# Altium PCB HV_Module_6W.PCBDOC (part 1 of 4) (continued)
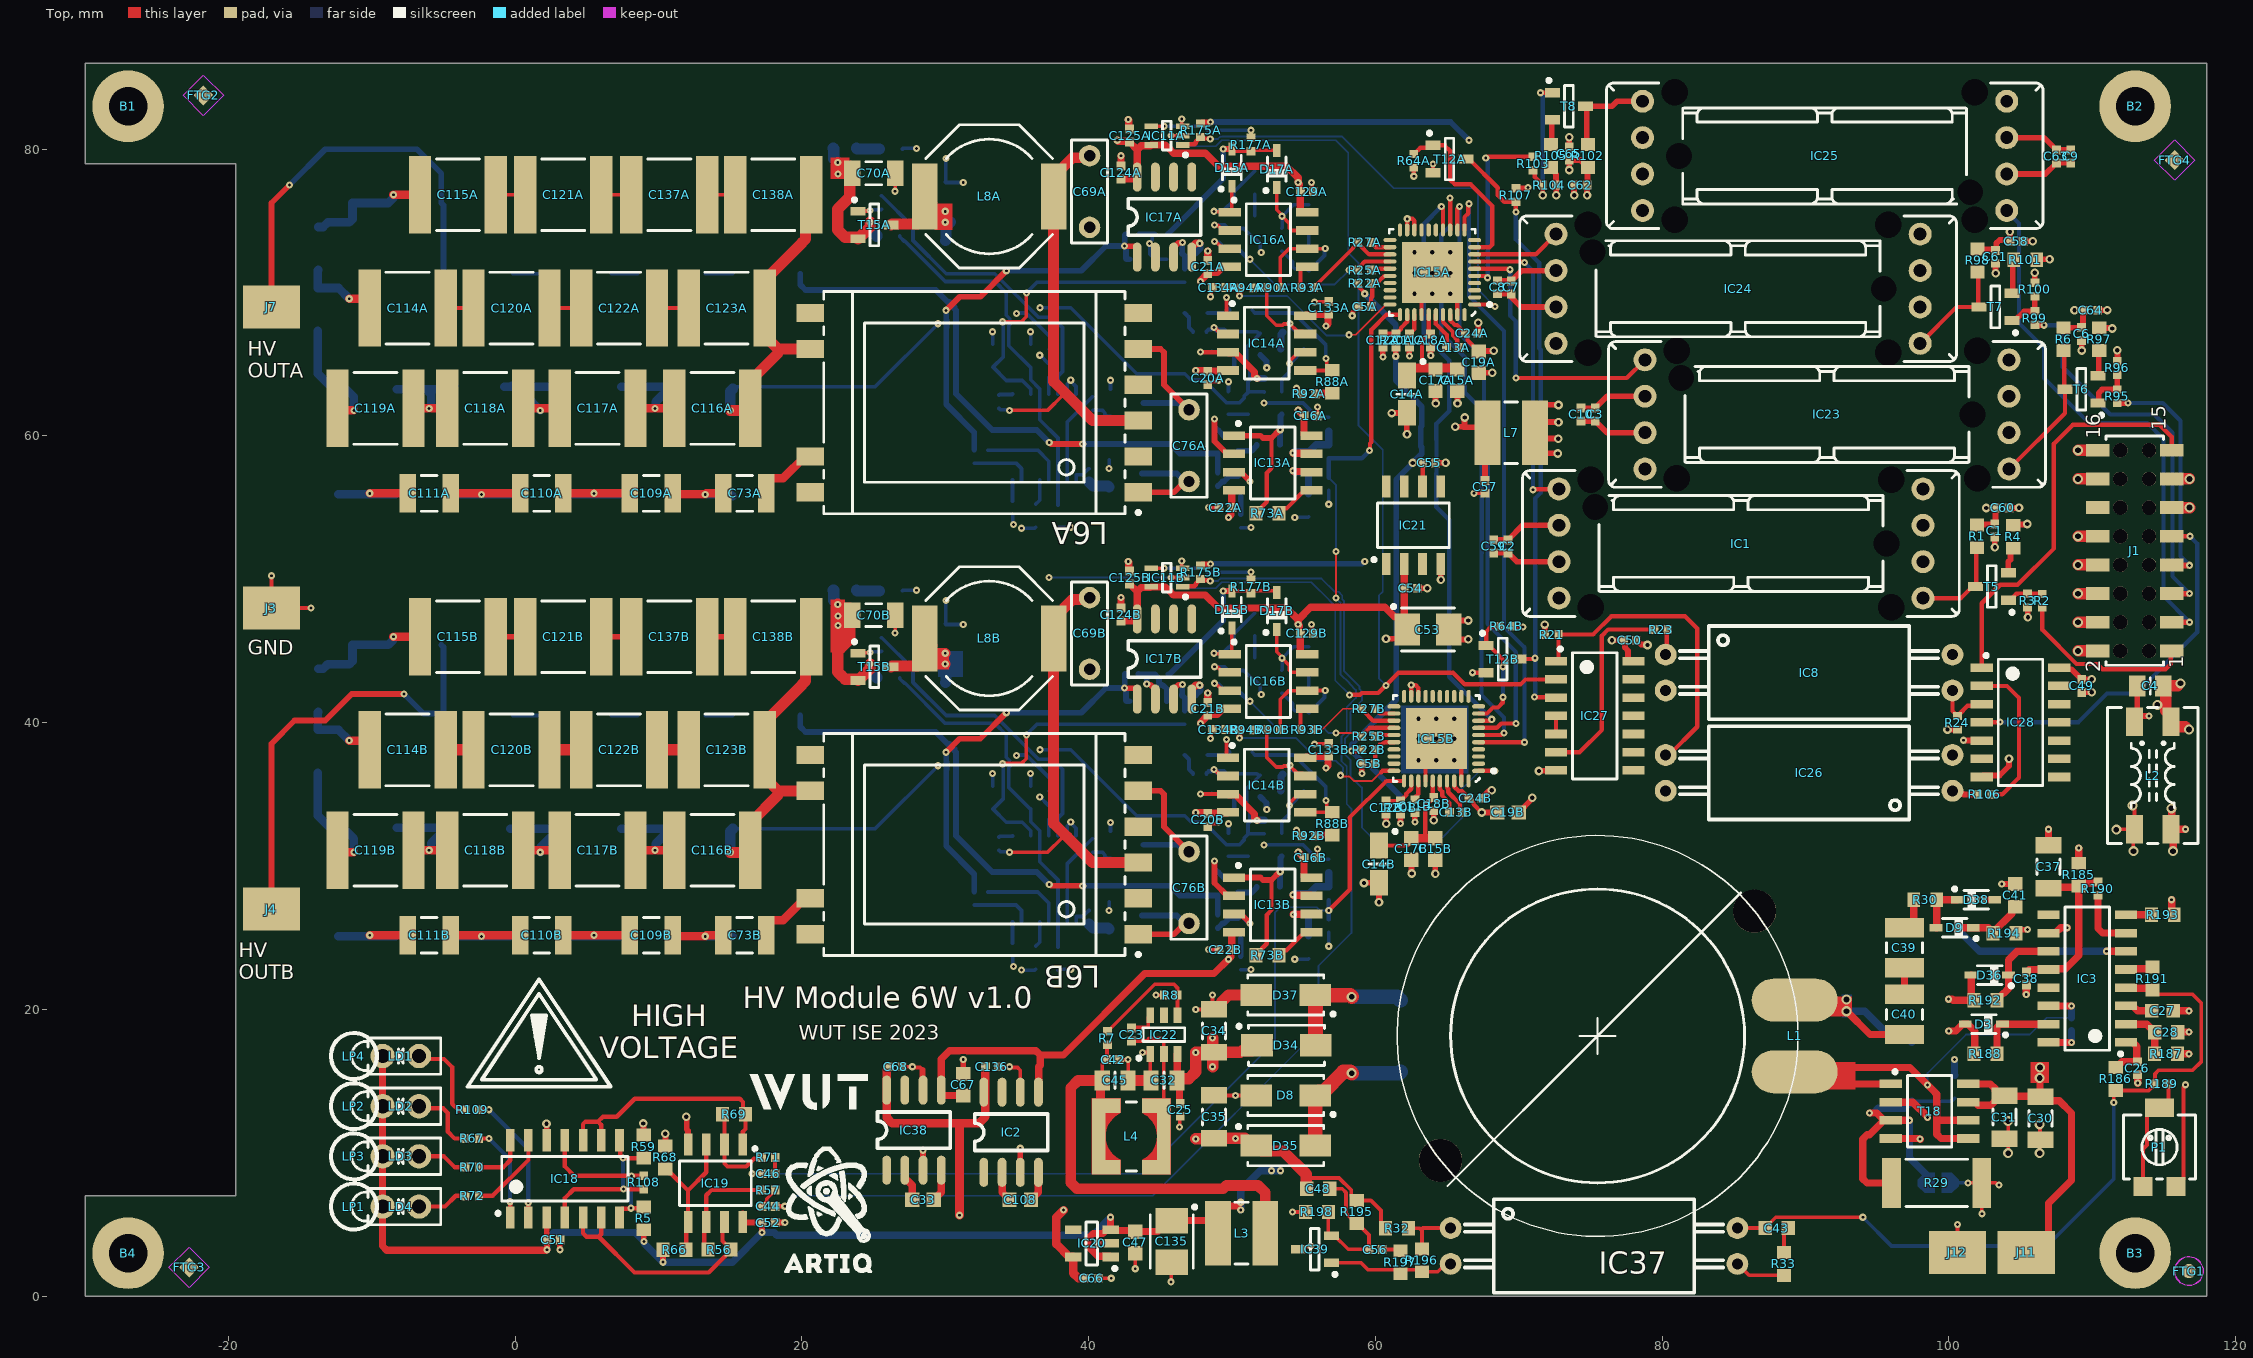
[diagram p0: Top view]
## Components (designator, comment, footprint, x,y, rotation, side; value= is the part's Value field where it differs from the comment)
B1 "Plated Hole" MTG270_500 -27,83 r0 top
B2 "Plated Hole" MTG270_500 113,83 r0 top
B3 "Plated Hole" MTG270_500 113,3 r0 top
B4 "Plated Hole" MTG270_500 -27,3 r0 top
C1 "1uF" CAPC1005X55N 103.2,53.4 r90 top
C2 "1uF" CAPC1005X55N 69.25,52.3 r90 top
C3 "1uF" CAPC1005X55N 75.34,61.5 r90 top
C4 "4.7uF" CAPC2012X145N 114.05,42.565 r0 top
C5A "1uF" CAPC1005X55N 59.26,69.028 r0 top (schematic designator C5)
C5B "1uF" CAPC1005X55N 59.53,37.14 r0 top (schematic designator C5)
C6 "1uF" CAPC1005X55N 109.255,67.114 r90 top
C7 "1uF" CAPC1005X55N 69.475,70.366 r90 top
C8 "100nF" CAPC1005X55N 68.531,70.375 r270 top
C9 "100nF" CAPC1005X55N 108.5,79.5 r90 top
C10 "100nF" CAPC1005X55N 74.351,61.5 r270 top
C11A "10nF" CAPC1005X55N 62.37,66.666 r90 top (schematic designator C11)
C11B "10nF" CAPC1005X55N 62.75,34.18 r90 top (schematic designator C11)
C12A "1uF" CAPC1005X55N 60.52,66.666 r90 top (schematic designator C12)
C12B "1uF" CAPC1005X55N 60.75,34.08 r90 top (schematic designator C12)
C13A "1uF" CAPC1005X55N 65.42,66.166 r0 top (schematic designator C13)
C13B "1uF" CAPC1005X55N 65.616,33.74 r0 top (schematic designator C13)
C14A "10uF" CAPMP3216X180N 62.195,62.914 r270 top (schematic designator C14)
C14B "10uF" CAPMP3216X180N 60.25,30.14 r270 top locked (schematic designator C14)
C15A "10uF" CAPC1608X80N 65.72,63.891 r90 top (schematic designator C15)
C15B "10uF" CAPC1608X80N 64.18,31.193 r90 top locked (schematic designator C15)
C16A "100nF" CAPC1005X55N 55.465,61.405 r180 top (schematic designator C16)
C16B "100nF" CAPC1005X55N 55.465,30.58 r180 top (schematic designator C16)
C17A "10uF" CAPC1608X80N 64.195,63.891 r90 top (schematic designator C17)
C17B "10uF" CAPC1608X80N 62.504,31.193 r90 top locked (schematic designator C17)
C18A "100nF" CAPC1005X55N 63.845,66.666 r90 top (schematic designator C18)
C18B "100nF" CAPC1005X55N 64.069,34.33 r90 top (schematic designator C18)
C19A "10uF" CAPC1608X80N 67.22,65.14 r90 top (schematic designator C19)
C19B "10uF" CAPC1608X80N 69.25,33.74 r180 top locked (schematic designator C19)
C20A "100nF" CAPC1005X55N 48.311,64.04 r90 top (schematic designator C20)
C20B "100nF" CAPC1005X55N 48.311,33.215 r90 top (schematic designator C20)
C21A "100nF" CAPC1005X55N 48.311,71.795 r270 top (schematic designator C21)
C21B "100nF" CAPC1005X55N 48.311,40.97 r270 top (schematic designator C21)
C22A "100nF" CAPC1005X55N 49.54,55 r0 top (schematic designator C22)
C22B "100nF" CAPC1005X55N 49.54,24.175 r0 top (schematic designator C22)
C23 "100nF" CAPC1005X55N 43,18.25 r270 top
C24A "100nF" CAPC1005X55N 66.72,67.166 r180 top (schematic designator C24)
C24B "100nF" CAPC1005X55N 66.975,34.732 r180 top (schematic designator C24)
C25 "100nF" CAPC1005X55N 46.385,13 r90 top
C26 "100nF" CAPC1005X55N 113.154,15.9 r90 top
C27 "1nF" CAPC1608X90N 114.904,19.9 r0 top
C28 "1uF" CAPC1608X87N 115.154,18.4 r0 top
C29 "100nF" CAPC1005X55N 108.55,18.975 r90 bottom
C30 "10uF" CAPC3216X180N 106.404,12.4 r270 top
C31 "47uF" CAPC3216X180N 103.879,12.495 r270 top
C32 "22uF" CAPC2012X135N 45.25,15.05 r0 top
C33 "10uF" CAPC1608X80N 28.45,6.73 r180 top
C34 "47uF" CAPC3216X180N 48.75,18.5 r90 top
C35 "47uF" CAPC3216X180N 48.75,12.5 r90 top
C36 "100nF" CAPC4532X250N 97.404,15.65 r90 bottom
C37 "10uF" CAPC3216X180N 106.954,29.95 r90 top
C38 "100nF" CAPC1005X55N 105.404,22.15 r270 top
C39 "220pF" CAPC3225X200N 96.904,24.3 r270 top locked
C40 "220pF" CAPC3225X200N 96.904,19.65 r270 top locked
C41 "1uF" CAPC1608X87N 104.629,27.95 r270 top
C42 "100nF" CAPC1005X55N 41.7,16.5 r180 top
C43 "270pF" CAPC1608X87N 88,4.75 r180 top locked
C44 "1uF" CAPC1005X55N 17.663,6.267 r0 top
C45 "22uF" CAPC2012X135N 41.85,15.05 r180 top
C46 "1uF" CAPC1005X55N 17.663,8.542 r180 top
C47 "10uF" CAPC1608X80N 43.25,3.75 r90 top
C48 "270pF" CAPC1608X87N 56.025,7.492 r180 top locked
C49 "1uF" CAPC1005X55N 109.27,42.565 r270 top
C50 "1uF" CAPC1005X55N 77.75,45.75 r0 top
C51 "1uF" CAPC1005X55N 2.663,3.93 r180 top
C52 "1uF" CAPC1005X55N 17.663,5.13 r180 top
C53 "22uF" CAPMP3528X210N 63.67,46.5 r0 top
C54 "100nF" CAPC1005X55N 62.467,49.377 r180 top
C55 "100nF" CAPC1005X55N 63.752,58.127 r180 top
C56 "100nF" CAPC1005X55N 60,3.25 r0 top
C57 "1uF" CAPC1005X55N 67.648,56.455 r90 top
C58 "100nF" CAPC1005X55N 104.714,73.576 r180 top
C59 "100nF" CAPC1005X55N 68.254,52.3 r270 top
C60 "100nF" CAPC1005X55N 103.75,54.982 r180 top
C61 "1uF" CAPC1005X55N 103.25,72.5 r90 top
C62 "1uF" CAPC1005X55N 74.3,77.5 r0 top
C63 "1uF" CAPC1005X55N 107.5,79.5 r270 top
C64 "100nF" CAPC1005X55N 109.906,68.774 r180 top
C65 "100nF" CAPC1005X55N 73.525,79.7 r270 top
C66 "1uF" CAPC1005X55N 40.225,1.25 r180 top
C67 "10uF" CAPC1608X80N 31.25,14.75 r270 top
C68 "1uF" CAPC1005X55N 26.55,16 r0 top
C69A "47nF" CAPR500-250X720X650 40.061,77.05 r90 top (schematic designator C69)
C69B "47nF" CAPR500-250X720X650 40.061,46.225 r90 top (schematic designator C69)
C70A "47uF" CAPC3216X180N 25,78.325 r0 top (schematic designator C70)
C70B "47uF" CAPC3216X180N 25,47.5 r0 top (schematic designator C70)
C71A "1uF" CAPC1608X87N 26.211,80.02 r180 bottom (schematic designator C71)
C71B "1uF" CAPC1608X87N 26.211,49.195 r180 bottom (schematic designator C71)
C72A "1uF" CAPC1608X87N 37.86,54.365 r90 bottom (schematic designator C72)
C72B "1uF" CAPC1608X87N 37.86,23.54 r90 bottom (schematic designator C72)
C73A "6.8nF" CAPC3225X170N 16,56 r180 top (schematic designator C73)
C73B "6.8nF" CAPC3225X170N 16,25.175 r180 top (schematic designator C73)
C74A "1nF" CAPC1005X55N 34.685,54.985 r270 bottom (schematic designator C74)
C74B "1nF" CAPC1005X55N 34.685,24.16 r270 bottom (schematic designator C74)
C75A "1uF" CAPC1608X87N 35.955,65.605 r90 bottom (schematic designator C75)
C75B "1uF" CAPC1608X87N 35.955,34.78 r90 bottom (schematic designator C75)
C76A "100nF" CAPR500-250X720X650 47,59.325 r90 top (schematic designator C76)
C76B "100nF" CAPR500-250X720X650 47,28.5 r90 top (schematic designator C76)
C108 "10uF" CAPC1608X80N 35.23,6.73 r180 top
C109A "6.8nF" CAPC3225X170N 9.5,56 r180 top (schematic designator C109)
C109B "6.8nF" CAPC3225X170N 9.5,25.175 r180 top (schematic designator C109)
C110A "6.8nF" CAPC3225X170N 1.855,56 r180 top (schematic designator C110)
C110B "6.8nF" CAPC3225X170N 1.855,25.175 r180 top (schematic designator C110)
C111A "6.8nF" CAPC3225X170N -6,56 r180 top (schematic designator C111)
C111B "6.8nF" CAPC3225X170N -6,25.175 r180 top (schematic designator C111)
C112A "10nF" CAPC1608X87N 33.3,65.605 r270 bottom (schematic designator C112)
C112B "10nF" CAPC1608X87N 33.3,34.78 r270 bottom (schematic designator C112)
C113A "1uF" CAPC1608X87N 36.3,54.43 r90 bottom (schematic designator C113)
C113B "1uF" CAPC1608X87N 36.3,23.605 r90 bottom (schematic designator C113)
C114A "22nF" CAPC5750X330N -7.5,68.925 r180 top (schematic designator C114)
C114B "22nF" CAPC5750X330N -7.5,38.1 r180 top (schematic designator C114)
C115A "22nF" CAPC5750X330N -4,76.825 r180 top (schematic designator C115)
C115B "22nF" CAPC5750X330N -4,46 r180 top (schematic designator C115)
C116A "22nF" CAPC5750X330N 13.75,61.925 r180 top (schematic designator C116)
C116B "22nF" CAPC5750X330N 13.75,31.1 r180 top (schematic designator C116)
C117A "22nF" CAPC5750X330N 5.75,61.925 r180 top (schematic designator C117)
C117B "22nF" CAPC5750X330N 5.75,31.1 r180 top (schematic designator C117)
C118A "22nF" CAPC5750X330N -2.086,61.925 r180 top (schematic designator C118)
C118B "22nF" CAPC5750X330N -2.086,31.1 r180 top (schematic designator C118)
C119A "22nF" CAPC5750X330N -9.75,61.925 r180 top (schematic designator C119)
C119B "22nF" CAPC5750X330N -9.75,31.1 r180 top (schematic designator C119)
C120A "22nF" CAPC5750X330N -0.25,68.925 r180 top (schematic designator C120)
C120B "22nF" CAPC5750X330N -0.25,38.1 r180 top (schematic designator C120)
C121A "22nF" CAPC5750X330N 3.355,76.825 r180 top (schematic designator C121)
C121B "22nF" CAPC5750X330N 3.355,46 r180 top (schematic designator C121)
C122A "22nF" CAPC5750X330N 7.25,68.925 r180 top (schematic designator C122)
C122B "22nF" CAPC5750X330N 7.25,38.1 r180 top (schematic designator C122)
C123A "22nF" CAPC5750X330N 14.75,68.925 r180 top (schematic designator C123)
C123B "22nF" CAPC5750X330N 14.75,38.1 r180 top (schematic designator C123)
C124A "100nF" CAPC1005X55N 42.25,78.37 r270 top (schematic designator C124)
C124B "100nF" CAPC1005X55N 42.25,47.545 r270 top (schematic designator C124)
C125A "100nF" CAPC1005X55N 42.855,80.95 r270 top (schematic designator C125)
C125B "100nF" CAPC1005X55N 42.855,50.125 r270 top (schematic designator C125)
C126A "220nF" CAPC1608X87N 51.595,77.669 r270 bottom (schematic designator C126)
C126B "220nF" CAPC1608X87N 51.595,46.844 r270 bottom (schematic designator C126)
C127A "10nF" CAPC1608X87N 49.74,75.27 r270 bottom (schematic designator C127)
C127B "10nF" CAPC1608X87N 49.74,44.445 r270 bottom (schematic designator C127)
C128A "10nF" CAPC1005X55N 56.75,56.646 r90 bottom (schematic designator C128)
C128B "10nF" CAPC1005X55N 56.75,25.821 r90 bottom (schematic designator C128)
C129A "100nF" CAPC1005X55N 55.215,77.05 r180 top (schematic designator C129)
C129B "100nF" CAPC1005X55N 55.215,46.225 r180 top (schematic designator C129)
C130A "220nF" CAPC1608X87N 55.34,75.327 r270 bottom (schematic designator C130)
C130B "220nF" CAPC1608X87N 55.34,44.502 r270 bottom (schematic designator C130)
C131A "10nF" CAPC1608X87N 53.47,73.69 r270 bottom (schematic designator C131)
C131B "10nF" CAPC1608X87N 53.47,42.865 r270 bottom (schematic designator C131)
C132A "Undefined" CAPC1608X90N 51.968,66.405 r90 bottom (schematic designator C132)
C132B "Undefined" CAPC1608X90N 51.968,35.58 r90 bottom (schematic designator C132)
C133A "100nF" CAPC1005X55N 56.75,68.94 r270 top (schematic designator C133)
C133B "100nF" CAPC1005X55N 56.75,38.115 r270 top (schematic designator C133)
C134A "10nF" CAPC1005X55N 49.09,70.35 r0 top (schematic designator C134)
C134B "10nF" CAPC1005X55N 49.09,39.525 r0 top (schematic designator C134)
C135 "22uF" CAPMP3528X210N 45.793,3.816 r270 top
C136 "1uF" CAPC1005X55N 33.25,16 r0 top
C137A "22nF" CAPC5750X330N 10.75,76.825 r180 top (schematic designator C137)
C137B "22nF" CAPC5750X330N 10.75,46 r180 top (schematic designator C137)
C138A "22nF" CAPC5750X330N 18,76.825 r180 top (schematic designator C138)
C138B "22nF" CAPC5750X330N 18,46 r180 top (schematic designator C138)
D1A "SP5LG" DO-214AC_GW 15.177,59.542 r270 bottom (schematic designator D1)
D1B "SP5LG" DO-214AC_GW 15.177,29.03 r270 bottom (schematic designator D1)
D3 "BAT165" SOD2512X110N 102.444,18.975 r180 top
D8 "SS16" DIOM5127X229N 53.75,14 r180 top locked
D9 "BAT165" SOD2512X110N 100.404,25.7 r180 top
D14A "BAT165" SOD2512X110N 44.155,72.325 r0 bottom (schematic designator D14)
D14B "BAT165" SOD2512X110N 44.155,41.5 r0 bottom (schematic designator D14)
D15A "BAT165" SOD2512X110N 49.99,78.72 r90 top (schematic designator D15)
D15B "BAT165" SOD2512X110N 49.99,47.895 r90 top (schematic designator D15)
D16A "VESD01C1-02VHG3" SODFL1608X70N 51.117,62.305 r270 bottom (schematic designator D16)
D16B "VESD01C1-02VHG3" SODFL1608X70N 51.117,31.48 r270 bottom (schematic designator D16)
D17A "BAT165" SOD2512X110N 53.115,78.62 r90 top (schematic designator D17)
D17B "BAT165" SOD2512X110N 53.115,47.795 r90 top (schematic designator D17)
D18A "VESD01C1-02VHG3" SODFL1608X70N 49.74,62.305 r270 bottom (schematic designator D18)
D18B "VESD01C1-02VHG3" SODFL1608X70N 49.74,31.48 r270 bottom (schematic designator D18)
D19A "SP5LG" DO-214AC_GW 7.405,59.675 r90 bottom (schematic designator D19)
D19B "SP5LG" DO-214AC_GW 7.405,28.85 r90 bottom (schematic designator D19)
D20A "SP5LG" DO-214AC_GW 3.559,59.675 r270 bottom (schematic designator D20)
D20B "SP5LG" DO-214AC_GW 3.559,28.85 r270 bottom (schematic designator D20)
D21A "SP5LG" DO-214AC_GW -0.35,59.675 r90 bottom (schematic designator D21)
D21B "SP5LG" DO-214AC_GW -0.35,28.85 r90 bottom (schematic designator D21)
D22A "SP5LG" DO-214AC_GW -4.35,59.675 r270 bottom (schematic designator D22)
D22B "SP5LG" DO-214AC_GW -4.35,28.85 r270 bottom (schematic designator D22)
D23A "SP5LG" DO-214AC_GW -8.25,59.75 r90 bottom (schematic designator D23)
D23B "SP5LG" DO-214AC_GW -8.25,28.925 r90 bottom (schematic designator D23)
D24A "SP5LG" DO-214AC_GW -12.35,59.675 r270 bottom (schematic designator D24)
D24B "SP5LG" DO-214AC_GW -12.35,28.85 r270 bottom (schematic designator D24)
D25A "SP5LG" DO-214AC_GW 7.5,59.75 r270 bottom (schematic designator D25)
D25B "SP5LG" DO-214AC_GW 7.405,29 r270 bottom (schematic designator D25)
D26A "SP5LG" DO-214AC_GW 3.559,59.75 r90 bottom (schematic designator D26)
D26B "SP5LG" DO-214AC_GW 3.559,28.75 r90 bottom (schematic designator D26)
D27A "SP5LG" DO-214AC_GW -0.25,59.75 r270 bottom (schematic designator D27)
D27B "SP5LG" DO-214AC_GW -0.362,28.75 r270 bottom (schematic designator D27)
D28A "SP5LG" DO-214AC_GW -4.25,59.75 r90 bottom (schematic designator D28)
D28B "SP5LG" DO-214AC_GW -4.25,28.75 r90 bottom (schematic designator D28)
D29A "SP5LG" DO-214AC_GW -8.25,59.5 r270 bottom (schematic designator D29)
D29B "SP5LG" DO-214AC_GW -8.25,29 r270 bottom (schematic designator D29)
D30A "SP5LG" DO-214AC_GW -12.325,59.75 r90 bottom (schematic designator D30)
D30B "SP5LG" DO-214AC_GW -12.35,28.75 r90 bottom (schematic designator D30)
D31A "SS16" DIOM5127X229N 30,75.67 r90 bottom (schematic designator D31)
D31B "SS16" DIOM5127X229N 30,44.845 r90 bottom (schematic designator D31)
D32A "SP5LG" DO-214AC_GW 11.343,59.675 r270 bottom (schematic designator D32)
D32B "SP5LG" DO-214AC_GW 11.343,28.85 r270 bottom (schematic designator D32)
D33A "SP5LG" DO-214AC_GW 11.343,59.75 r90 bottom (schematic designator D33)
D33B "SP5LG" DO-214AC_GW 11.343,29 r90 bottom (schematic designator D33)
D34 "SS16" DIOM5127X229N 53.793,17.5 r0 top locked
D35 "SS16" DIOM5127X229N 53.75,10.5 r0 top locked
D36 "BAT165" SOD2512X110N 102.854,22.4 r180 top
D37 "SS16" DIOM5127X229N 53.75,21 r180 top locked
D38 "BAT165" SOD2512X110N 101.904,27.65 r0 top
D39A "SP5LG" DO-214AC_GW 15.177,59.542 r90 bottom (schematic designator D39)
D39B "SP5LG" DO-214AC_GW 15.177,28.85 r90 bottom (schematic designator D39)
FTG1 "Use only in PCB" FIDUCIAL_TOP_C100-200 116.75,1.75 r180 top
FTG2 "Use only in PCB" FIDUCIAL_TOP_S100-200 -21.75,83.75 r180 top
FTG3 "Use only in PCB" FIDUCIAL_TOP_S100-200 -22.75,2 r180 top
FTG4 "Use only in PCB" FIDUCIAL_TOP_S100-200 115.75,79.25 r180 top
IC1 "AFBR-390525RZ" BROADCOM_AFBR-390525RZ 85.5,52.5 r180 top locked
IC2 "TC7660SEOA" SO-8 32.69,8.639 r90 top
IC3 "L6599AD" SOIC127P600X175-16N 109.654,22.15 r180 top
IC8 "OPI1264C" OPI1264C 90.25,43.5 r180 top locked
IC9A "UC3872M" R-PDSO-G16 39.13,56.93 r90 bottom (schematic designator IC9)
IC9B "UC3872M" R-PDSO-G16 39.13,26.105 r90 bottom (schematic designator IC9)
IC11A "74HCT1G125GW" SOT65P210X110-5N 45.455,80.95 r180 top (schematic designator IC11)
IC11B "74HCT1G125GW" SOT65P210X110-5N 45.455,50.125 r180 top (schematic designator IC11)
IC13A "ADA4510-2ARZ" SOIC127P600X175-8N 52.841,58.116 r0 top (schematic designator IC13)
IC13B "ADA4510-2ARZ" SOIC127P600X175-8N 52.841,27.291 r0 top (schematic designator IC13)
IC14A "ADA4510-2ARZ" SOIC127P600X175-8N 52.415,66.475 r0 top (schematic designator IC14)
IC14B "ADA4510-2ARZ" SOIC127P600X175-8N 52.415,35.65 r0 top (schematic designator IC14)
IC15A "MAX1329BETL+" QFN50P600X600X80-41N-S425 63.97,71.416 r180 top (schematic designator IC15)
IC15B "MAX1329BETL+" QFN50P600X600X80-41N-S425 64.25,38.89 r180 top (schematic designator IC15)
IC16A "ADA4510-2ARZ" SOIC127P600X175-8N 52.54,73.7 r0 top (schematic designator IC16)
IC16B "ADA4510-2ARZ" SOIC127P600X175-8N 52.54,42.875 r0 top (schematic designator IC16)
IC17A "LMV358IDT" SO-8 43.385,72.475 r90 top (schematic designator IC17)
IC17B "LMV358IDT" SO-8 43.385,41.65 r90 top (schematic designator IC17)
IC18 "LP339M/NOPB" SOIC127P600X175-14N 3.463,8.18 r90 top
IC19 "LMV358IDT" SOIC127P600X175-8N 13.963,7.88 r270 top
IC20 "NCP703SN33T1G" SOT95P275X110-5N 40.225,3.68 r180 top
IC21 "ADR431ARZ" SOIC127P600X175-8N 62.652,53.776 r90 top
IC22 "AP62201WU-7" SOT95P280X100-6N 45.25,18.25 r90 top
IC23 "AFBR-390525RZ" BROADCOM_AFBR-390525RZ 91.5,61.5 r180 top locked
IC24 "AFBR-390525RZ" BROADCOM_AFBR-390525RZ 85.3,70.27 r180 top locked
IC25 "AFBR-390525RZ" BROADCOM_AFBR-390525RZ 91.34,79.54 r0 top locked
IC26 "OPI1264C" OPI1264C 90.25,36.5 r0 top locked
IC27 "SN74LVC14AD" SOIC127P600X175-14N 75.3,40.48 r0 top locked
IC28 "SN74LVC14AD" SOIC127P600X175-14N 105,40.025 r0 top
IC37 "OPI1264C" OPI1264C 75.25,3.5 r180 top locked
IC38 "TC7660SEOA" SO-8 25.91,8.786 r90 top
IC39 "TL431AIDBZ" SOT95P237X112-3N 55.775,3.268 r180 top
J1 "2.00 mm_SMT_Vertical_16 pin" 62131621821 112.964,52.004 r90 top locked
J3 "SMD Pad" R400X300 -17,48 r180 top
J4 "SMD Pad" R400X300 -17,27 r180 top
J7 "SMD Pad" R400X300 -17,69 r180 top
J11 "SMD Pad" R400X300 105.404,3.05 r0 top
J12 "SMD Pad" R400X300 100.604,3.05 r0 top
L1 "6.8uH" 760308101104 75.5,18.152 r270 top locked
L2 "2x250uH" IND_WURTH_WE-SL2 114.225,36.315 r270 top
L3 "10uH" IND_BOURNS_PM43 50.67,4.398 r180 top
L4 "3.3uH" IND_WURTH_WE-TPC_4828 42.975,11.143 r180 top
L6A "1:125" XFMR_COILCRAFT_FL0215_PACK1 32.025,62.325 r180 top (schematic designator L6)
L6B "1:125" XFMR_COILCRAFT_FL0215_PACK1 32.025,31.5 r180 top (schematic designator L6)
L7 "10uH" IND_BOURNS_PM43 69.475,60.23 r180 top
L8A "150uH" IND_WURTH_WE-TPC_1038 33.061,76.705 r0 top (schematic designator L8)
L8B "150uH" IND_WURTH_WE-TPC_1038 33.061,45.88 r0 top (schematic designator L8)
L9 "6.8uH" 760308101104 75.5,18.152 r270 bottom locked
LD1 "Green" LED_DIALIGHT_555-230 -9.25,16.75 r0 top locked
LD2 "Red" LED_DIALIGHT_555-200 -9.25,13.25 r0 top locked
LD3 "Green" LED_DIALIGHT_555-230 -9.25,9.75 r0 top locked
LD4 "Red" LED_DIALIGHT_555-200 -9.25,6.25 r0 top locked
LP1 "" LEDLP_BIVAR_PLP2-1200 -11.25,6.25 r90 top locked
LP2 "" LEDLP_BIVAR_PLP2-1200 -11.25,13.25 r90 top locked
LP3 "" LEDLP_BIVAR_PLP2-1200 -11.25,9.75 r90 top locked
LP4 "" LEDLP_BIVAR_PLP2-1200 -11.25,16.75 r90 top locked
P1 "10k" TRIM_BOURNS_3314G-1 114.694,10.4 r0 top
R1 "390" RESC1608X55N 101.97,53.004 r90 top
R2 "47" RESC1005X40N 106.512,48.511 r270 top
R3 "1k" RESC1005X40N 105.5,48.52 r90 top
R4 "150" RESC1608X55N 104.5,52.97 r270 top
R5 "100k" RESC1608X55N 8.963,5.43 r270 top
R6 "390" RESC1608X55N 108,66.75 r90 top
R7 "43k" RESC1005X40N 41.311,18 r270 top
R8 "8k2" RESC1005X40N 45.725,21 r0 top
R9A "3k32" RESC1608X55N 52.53,59.38 r180 bottom (schematic designator R9)
R9B "3k32" RESC1608X55N 52.53,28.555 r180 bottom (schematic designator R9)
R20A "0" RESC1005X40N 61.445,66.666 r270 top (schematic designator R20)
R20B "0" RESC1005X40N 61.75,34.08 r270 top (schematic designator R20)
R21 "330" RESC1005X40N 72.3,46.15 r0 top
R22A "0" RESC1005X40N 59.25,70.641 r180 top (schematic designator R22)
R22B "0" RESC1005X40N 59.53,38.115 r180 top (schematic designator R22)
R23 "330" RESC1005X40N 79.93,46.5 r180 top
R24 "330" RESC1005X40N 100.6,40 r90 top
R25A "0" RESC1005X40N 59.25,71.566 r180 top (schematic designator R25)
R25B "0" RESC1005X40N 59.53,39.04 r180 top (schematic designator R25)
R26 "47" RESC1608X55N 100.404,14.6 r90 bottom
R27A "0" RESC1005X40N 59.25,73.5 r180 top (schematic designator R27)
R27B "0" RESC1005X40N 59.53,40.974 r180 top (schematic designator R27)
R28A "3k32" RESC1608X55N 50.605,56.576 r90 bottom (schematic designator R28)
R28B "3k32" RESC1608X55N 50.605,25.751 r90 bottom (schematic designator R28)
R29 "0R5" RESC6532X80N 99.154,7.9 r180 top locked
R30 "47" RESC1608X55N 98.354,27.65 r0 top
R32 "2k7" RESC1608X55N 61.514,4.728 r180 top locked
R33 "47" RESC1608X55N 88.5,2.25 r90 top
R49A "10k" RESC1005X40N 32.025,58.58 r270 bottom (schematic designator R49)
R49B "10k" RESC1005X40N 32.025,27.755 r270 bottom (schematic designator R49)
R56 "100k" RESC1608X55N 14.25,3.25 r180 top
R57 "1k" RESC1005X40N 17.663,7.405 r0 top
R58A "13" RESC1005X40N 50.605,54.075 r90 bottom (schematic designator R58)
R58B "13" RESC1005X40N 50.605,23.25 r90 bottom (schematic designator R58)
R59 "100k" RESC1608X55N 8.963,10.43 r270 top
R60A "10k" RESC1608X55N 55.34,55.165 r270 bottom (schematic designator R60)
R60B "10k" RESC1608X55N 55.34,24.34 r270 bottom (schematic designator R60)
R61A "30k" RESC1608X55N 55.34,58.11 r270 bottom (schematic designator R61)
R61B "30k" RESC1608X55N 55.34,27.285 r270 bottom (schematic designator R61)
R62A "100k" RESC1608X55N 51.595,74.55 r270 bottom (schematic designator R62)
R62B "100k" RESC1608X55N 51.595,43.725 r270 bottom (schematic designator R62)
R63A "10k" RESC1608X55N 49,59.575 r270 bottom (schematic designator R63)
R63B "10k" RESC1608X55N 49,28.75 r270 bottom (schematic designator R63)
R64A "10k" RESC1005X40N 62.68,79.199 r90 top (schematic designator R64)
R64B "10k" RESC1005X40N 69.118,46.725 r180 top (schematic designator R64)
R66 "100k" RESC1608X55N 11.123,3.244 r180 top
R67 "1k" RESC1005X40N -3,11 r0 top
R68 "100k" RESC1608X55N 10.463,9.68 r270 top
R69 "100k" RESC1608X55N 15.263,12.68 r180 top
R70 "1k" RESC1005X40N -3,9 r0 top
R71 "1k" RESC1005X40N 17.663,9.68 r0 top
R72 "1k" RESC1005X40N -3,7 r0 top
R73A "7k5" RESC1608X55N 52.465,54.6 r180 top (schematic designator R73)
R73B "7k5" RESC1608X55N 52.465,23.775 r180 top (schematic designator R73)
R74A "0" RESC1005X40N 49,56.976 r90 bottom (schematic designator R74)
R74B "0" RESC1005X40N 49,26.151 r90 bottom (schematic designator R74)
R75A "10M" RESC5025X65N 4.35,71.325 r180 bottom (schematic designator R75)
R75B "10M" RESC5025X65N 4.35,40.5 r180 bottom (schematic designator R75)
R76A "10M" RESC5025X65N -2.5,71.325 r180 bottom (schematic designator R76)
R76B "10M" RESC5025X65N -2.5,40.5 r180 bottom (schematic designator R76)
R77A "10M" RESC5025X65N 10.9,71.325 r180 bottom (schematic designator R77)
R77B "10M" RESC5025X65N 10.9,40.5 r180 bottom (schematic designator R77)
R78A "1k" RESC1005X40N 50.135,72.895 r0 bottom (schematic designator R78)
R78B "1k" RESC1005X40N 50.135,42.07 r0 bottom (schematic designator R78)
R79A "3k32" RESC1608X55N 47.5,68.575 r180 bottom (schematic designator R79)
R79B "3k32" RESC1608X55N 47.5,37.75 r180 bottom (schematic designator R79)
R80A "1k" RESC1005X40N 56.75,58.91 r90 bottom (schematic designator R80)
R80B "1k" RESC1005X40N 56.75,28.085 r90 bottom (schematic designator R80)
R81A "10M" RESC5025X65N 17.527,71.325 r180 bottom (schematic designator R81)
R81B "10M" RESC5025X65N 17.527,40.5 r180 bottom (schematic designator R81)
R82A "13" RESC1005X40N 47.75,67.271 r0 bottom (schematic designator R82)
R82B "13" RESC1005X40N 47.75,36.446 r0 bottom (schematic designator R82)
R83A "33" RESC1005X40N 54.003,67.235 r180 bottom (schematic designator R83)
R83B "33" RESC1005X40N 54.003,36.41 r180 bottom (schematic designator R83)
R84A "100k" RESC1608X55N 55.34,72.325 r270 bottom (schematic designator R84)
R84B "100k" RESC1608X55N 55.34,41.5 r270 bottom (schematic designator R84)
R85A "10k" RESC1608X55N 53.47,62.305 r270 bottom (schematic designator R85)
R85B "10k" RESC1608X55N 53.47,31.48 r270 bottom (schematic designator R85)
R86A "13k3" RESC1608X55N 54.206,66.065 r0 bottom (schematic designator R86)
R86B "13k3" RESC1608X55N 54.206,35.24 r0 bottom (schematic designator R86)
R87A "10k" RESC1608X55N 50.605,68.765 r180 bottom (schematic designator R87)
R87B "10k" RESC1608X55N 50.605,37.94 r180 bottom (schematic designator R87)
R88A "13k3" RESC1608X55N 57,63.782 r90 top (schematic designator R88)
R88B "13k3" RESC1608X55N 57,32.957 r90 top (schematic designator R88)
R89A "100" RESC1005X40N 52.25,63.543 r270 bottom (schematic designator R89)
R89B "100" RESC1005X40N 52.25,32.718 r270 bottom (schematic designator R89)
R90A "1k" RESC1005X40N 52.89,70.35 r180 top (schematic designator R90)
R90B "1k" RESC1005X40N 52.89,39.525 r180 top (schematic designator R90)
R91A "3k32" RESC1608X55N 49.39,65.879 r180 bottom (schematic designator R91)
R91B "3k32" RESC1608X55N 49.39,35.054 r180 bottom (schematic designator R91)
R92A "33" RESC1005X40N 55.34,62.93 r0 top (schematic designator R92)
R92B "33" RESC1005X40N 55.34,32.105 r0 top (schematic designator R92)
R93A "1k" RESC1005X40N 55.245,70.35 r0 top (schematic designator R93)
R93B "1k" RESC1005X40N 55.245,39.525 r0 top (schematic designator R93)
R94A "1k" RESC1005X40N 50.99,70.325 r0 top (schematic designator R94)
R94B "1k" RESC1005X40N 50.99,39.5 r0 top (schematic designator R94)
R95 "47" RESC1005X40N 111.75,62.77 r270 top
R96 "1k" RESC1005X40N 111.75,64.75 r270 top
R97 "150" RESC1608X55N 110.5,66.75 r270 top
R98 "390" RESC1608X55N 102,72.25 r90 top
R99 "47" RESC1005X40N 106,68.22 r270 top
R100 "1k" RESC1005X40N 106,70.22 r270 top
R101 "150" RESC1608X55N 105.33,72.297 r180 top
R102 "390" RESC1608X55N 74.83,79.54 r270 top
R103 "47" RESC1005X40N 71,79 r90 top
R104 "1k" RESC1005X40N 72.13,77.5 r180 top
R105 "150" RESC1608X55N 72.25,79.54 r90 top
R106 "330" RESC1005X40N 102.5,35 r0 top
R107 "10k" RESC1005X40N 69.8,76.806 r90 top
R108 "10k" RESC1005X40N 8.963,7.93 r90 top
R109 "1k" RESC1005X40N -3,13 r0 top
R163A "0R33" RESC1608X60N 23,80.075 r180 bottom (schematic designator R163)
R163B "0R33" RESC1608X60N 23,49.25 r180 bottom (schematic designator R163)
R164A "47" RESC1608X55N 26.025,73.945 r0 bottom (schematic designator R164)
R164B "47" RESC1608X55N 26.025,43.12 r0 bottom (schematic designator R164)
R165A "33" RESC1005X40N 25.55,76.29 r270 bottom (schematic designator R165)
R165B "33" RESC1005X40N 25.55,45.465 r270 bottom (schematic designator R165)
R166A "10k" RESC1005X40N 33.75,62.387 r270 bottom (schematic designator R166)
R166B "10k" RESC1005X40N 33.75,31.562 r270 bottom (schematic designator R166)
R167A "100" RESC1005X40N 40.275,62.255 r270 bottom (schematic designator R167)
R167B "100" RESC1005X40N 40.275,31.43 r270 bottom (schematic designator R167)
R168A "100k" RESC3216X50N -13.777,68.825 r90 bottom (schematic designator R168)
R168B "100k" RESC3216X50N -13.777,38 r90 bottom (schematic designator R168)
R169A "100k" RESC3216X50N -13.75,73.075 r90 bottom (schematic designator R169)
R169B "100k" RESC3216X50N -13.75,42.25 r90 bottom (schematic designator R169)
R170A "100" RESC6331X70N -8.25,76.25 r0 bottom (schematic designator R170)
R170B "100" RESC6331X70N -8.25,45.425 r0 bottom (schematic designator R170)
R171A "100" RESC1005X40N 40.025,57.255 r270 bottom (schematic designator R171)
R171B "100" RESC1005X40N 40.025,26.43 r270 bottom (schematic designator R171)
R172A "330" RESC1005X40N 37.25,66.53 r90 bottom (schematic designator R172)
R172B "330" RESC1005X40N 37.25,35.705 r90 bottom (schematic designator R172)
R173A "10k" RESC1005X40N 37.225,64.573 r90 bottom (schematic designator R173)
R173B "10k" RESC1005X40N 37.225,33.748 r90 bottom (schematic designator R173)
R174A "10k" RESC1005X40N 32.975,58.546 r270 bottom (schematic designator R174)
R174B "10k" RESC1005X40N 32.975,27.721 r270 bottom (schematic designator R174)
R175A "10k" RESC1005X40N 47.811,81.325 r90 top (schematic designator R175)
R175B "10k" RESC1005X40N 47.811,50.5 r90 top (schematic designator R175)
R176A "10k" RESC1005X40N 43.061,74.075 r0 bottom (schematic designator R176)
R176B "10k" RESC1005X40N 43,43.391 r0 bottom (schematic designator R176)
R177A "1k" RESC1005X40N 51.315,80.325 r270 top (schematic designator R177)
R177B "1k" RESC1005X40N 51.315,49.5 r270 top (schematic designator R177)
R178A "10k" RESC1005X40N 45.061,74.075 r0 bottom (schematic designator R178)
R178B "10k" RESC1005X40N 45.105,43.371 r0 bottom (schematic designator R178)
R179A "10k" RESC1005X40N 46.7,71.194 r270 bottom (schematic designator R179)
R179B "10k" RESC1005X40N 46.7,40.369 r270 bottom (schematic designator R179)
R180A "10k" RESC1005X40N 46.97,72.767 r0 bottom (schematic designator R180)
R180B "10k" RESC1005X40N 46.97,41.942 r0 bottom (schematic designator R180)
R181A "13" RESC1005X40N 50.412,59.446 r90 bottom (schematic designator R181)
R181B "13" RESC1005X40N 50.412,28.621 r90 bottom (schematic designator R181)
R182A "1k" RESC1005X40N 56.75,60.825 r270 bottom (schematic designator R182)
R182B "1k" RESC1005X40N 56.75,30 r270 bottom (schematic designator R182)
R183A "100" RESC1005X40N 49.979,67.271 r0 bottom (schematic designator R183)
R183B "100" RESC1005X40N 49.979,36.446 r0 bottom (schematic designator R183)
R184A "13" RESC1005X40N 49.693,64.573 r0 bottom (schematic designator R184)
R184B "13" RESC1005X40N 49.693,33.748 r0 bottom (schematic designator R184)
R185 "47" RESC1608X55N 109.058,29.4 r90 top
R186 "2k7" RESC1608X55N 111.654,15.15 r90 top
R187 "1M" RESC1608X55N 115.154,16.9 r0 top
R188 "47" RESC1608X55N 102.554,16.9 r180 top
R189 "1k" RESC1005X40N 114.849,14.805 r180 top
R190 "100k" RESC1005X40N 110.404,28.43 r270 top
R191 "47" RESC1608X55N 114.204,22.15 r270 top
R192 "47" RESC1608X55N 102.554,20.65 r180 top
R193 "47" RESC1608X55N 114.924,26.595 r180 top
R194 "47" RESC1608X55N 103.879,25.325 r180 top
R195 "9k1" RESC1608X55N 58.701,5.875 r90 top locked
R196 "2k7" RESC1608X55N 63.25,2.5 r90 top
R197 "47" RESC1608X55N 61.75,2.366 r270 top
R198 "2k4" RESC1608X55N 55.919,5.874 r0 top
SW1 "Switch" JUMPSMD0805_G50 99.254,7.9 r180 bottom
T5 "2N7002" SOT95P240X130-3N 103,49.5 r180 top
T6 "2N7002" SOT95P240X130-3N 109.25,63.25 r180 top
T7 "2N7002" SOT95P240X130-3N 103.25,69 r180 top
T8 "2N7002" SOT95P240X130-3N 73.5,83 r0 top
T12A "BSS138LT1G" SOT95P240X110-3N 65.17,79.32 r0 top (schematic designator T12)
T12B "BSS138LT1G" SOT95P240X110-3N 68.873,44.44 r0 top (schematic designator T12)
T15A "IRLML6402PBF" SOT95P237X112-3N 25.061,74.72 r0 top (schematic designator T15)
T15B "IRLML6402PBF" SOT95P237X112-3N 25.061,43.895 r0 top (schematic designator T15)
T16A "IRLML0060TRPBF" SOT95P237X112-3N 42.675,62.305 r0 bottom (schematic designator T16)
T16B "IRLML0060TRPBF" SOT95P237X112-3N 42.675,31.48 r0 bottom (schematic designator T16)
T17A "IRLML0060TRPBF" SOT95P237X112-3N 42.577,57.383 r0 bottom (schematic designator T17)
T17B "IRLML0060TRPBF" SOT95P237X112-3N 42.577,26.558 r0 bottom (schematic designator T17)
T18 "FDS9926A" SOIC127P600X175-8N 98.654,12.9 r0 top locked

## Footprints (in the part's own frame and the unit in brackets; to place one, negate y for a bottom-side part, rotate by r counter-clockwise, add the part's x,y. Pads: shape width x height; smd on the part's side, far side on the other; paste and mask are expansions set on the pad)
62131621821 [mm] "Socket Header, Pitch 2.00 mm, SMT, Vertical, dual row, 16p"
  rect 0.89x1.65 smd: 1(-7,-2.575) 2(-7,2.575) 3(-5,-2.575) 4(-5,2.575) 5(-3,-2.575) 6(-3,2.575) 7(-1,-2.575) 8(-1,2.575) 9(1,-2.575) 10(1,2.575) 11(3,-2.575) 12(3,2.575) 13(5,-2.575) 14(5,2.575) 15(7,-2.575) 16(7,2.575)
  round 1 hole 1 unplated: M1(-7,-1) M2(-7,1) M3(-5,-1) M4(-5,1) M5(-3,-1) M6(-3,1) M7(-1,-1) M8(-1,1) M9(1,-1) M10(1,1) M11(3,-1) M12(3,1) M13(5,-1) M14(5,1) M15(7,-1) M16(7,1)
  silkscreen extent -8,-2 8,2, body extent -8,-3 8,3, height 2.95
760308101104 [mm] "Wireless Power Transfer Transmitter Coil, Dia 20mm"
  oval 3x6 smd: 1(2.5,13.75) 2(-2.5,13.75)
  silkscreen extent -10.25,-10.25 10.25,10.25, body extent -10.25,-10.25 10.25,14.25, height 2.1
BROADCOM_AFBR-390525RZ [mm] "BROADCOM AFBR-390525RZ Case, Body 30.46mm L X 10.16mm W X 6.7mm H"
  round 1.6 hole 0.9: 1(-12.7,3.81) 2(-12.7,1.27) 3(-12.7,-1.27) 4(-12.7,-3.81) 5(12.7,3.81) 6(12.7,1.27) 7(12.7,-1.27) 8(12.7,-3.81)
  round 1 hole 1.85 unplated mask+0.425: 9(-10.47,4.45) 11(-10.47,-4.45) 12(10.47,4.45) 14(10.47,-4.45)
  round 1 hole 1.8 unplated mask+0.4: 10(-10.16,0) 13(10.16,-2.54)
  silkscreen extent -15.23,-5.08 15.23,5.08, body extent -15.23,-5.08 15.23,5.08, height 6.7
CAPC1005X55N [mm] "Capacitor, Non-Polarized, Chip; 1.00mm L X 0.50mm W X 0.70mm H, IPC Medium Density"
  rect 0.62x0.62 smd: 1(-0.45,0) 2(0.45,0)
  body extent -0.52,-0.27 0.53,0.28, height 0.55
CAPC1608X80N [mm] "Chip Capacitor, Body 1.6x0.8mm IPC Medium Density"
  rect 1x1 smd: 1(-0.75,0) 2(0.75,0)
  body extent -0.87,-0.47 0.88,0.48, height 0.8
CAPC1608X87N [mm] "Chip Capacitor, Body 1.6x0.8mm IPC Medium Density"
  rect 0.95x1 smd: 1(-0.8,0) 2(0.8,0)
  body extent -0.87,-0.47 0.88,0.48, height 0.87
CAPC1608X90N [mm] "Chip Capacitor, Body 1.6x0.8mm IPC Medium Density"
  rect 0.95x0.95 smd: 1(-0.75,0) 2(0.75,0)
  body extent -0.85,-0.45 0.85,0.45, height 0.9
CAPC2012X135N [mm] "Chip Capacitor, Body 2.0x1.25mm, IPC Medium Density"
  rect 1.05x1.4 smd: 1(-0.9,0) 2(0.9,0)
  silkscreen extent 0,-0.58 0,0.58, body extent -1.05,-0.67 1.05,0.68, height 1.25
CAPC2012X145N [mm] "Chip Capacitor, Body 2.0x1.45mm, IPC Medium Density"
  rect 1.15x1.45 smd: 1(-0.9,0) 2(0.9,0)
  silkscreen extent 0,-0.58 0,0.58, body extent -1.05,-0.67 1.05,0.68, height 1.45
CAPC3216X180N [mm] "Chip Capacitor, Body 3.2x1.6mm, IPC Medium Density"
  rect 1.15x1.8 smd: 1(-1.5,0) 2(1.5,0)
  silkscreen extent -0.55,-0.8 0.55,0.8, body extent -1.7,-0.9 1.7,0.9, height 1.8
CAPC3225X170N [mm] "Chip Capacitor, Body 3.2x2.5mm, IPC Medium Density"
  rect 1.15x2.7 smd: 1(-1.5,0) 2(1.5,0)
  silkscreen extent -0.55,-1.25 0.55,1.25, body extent -1.7,-1.35 1.7,1.35, height 1.7
CAPC3225X200N [mm] "Chip Capacitor, Body 3.2x2.5mm, IPC Medium Density"
  rect 1.35x2.7 smd: 1(-1.4,0) 2(1.4,0)
  silkscreen extent -0.35,-1.25 0.35,1.25, body extent -1.7,-1.35 1.5,1.35, height 2
CAPC4532X250N [mm] "Chip Capacitor, 2-Leads, Body 4.5x3.2mm, IPC Medium Density"
  rect 1.5x3.5 smd: 1(-2.05,0) 2(2.05,0)
  silkscreen extent -0.95,-1.6 0.95,1.6, body extent -2.37,-1.7 2.38,1.7, height 2.5
CAPC5750X330N [mm] "Chip Capacitor, 2-Leads, Body 5.7x5.0mm, IPC Medium Density"
  rect 1.55x5.4 smd: 1(-2.65,0) 2(2.65,0)
  silkscreen extent -1.5,-2.5 1.5,2.5, body extent -3.05,-2.7 3.05,2.7, height 3.3
CAPMP3216X180N [mm] "Capacitor, Polarized, Molded  Body 3.2x1.6mm, IPC Medium Density"
  rect 1.8x1.25 smd: 1(-1.3,0) 2(1.3,0)
  silkscreen extent -2.4,-0.7 0,1.25, body extent -1.7,-0.9 1.7,0.9, height 1.6
CAPMP3528X210N [mm] "Capacitor, Polarized, Molded  Body 3.5x2.8mm, IPC Medium Density"
  rect 1.8x2.25 smd: 1(-1.45,0) 2(1.45,0)
  silkscreen extent -2.52,-1.5 1.85,1.72, body extent -1.85,-1.5 1.85,1.5, height 2.1
CAPR500-250X720X650 [mm] "Capacitor Radial, Pin spacing 5.0mm - Body With 2.5mm X Body Length 7.2mm X Body Height 6.5mm"
  round 1.5 hole 0.8: 1(-2.5,0) 2(2.5,0)
  silkscreen extent -3.6,-1.25 3.6,1.25, body extent -3.6,-1.25 3.6,1.25, height 6.5
DIOM5127X229N [mm] "DO-214-AC/SMA Diode, Molded Body; 5.10mm L X 2.67mm W X 2.29mm H, IPC Medium Density"
  rect 2.2x1.55 smd: 1(-2.05,0) 2(2.05,0)
  silkscreen extent -3.43,-1.4 2.65,1.45, body extent -2.67,-1.45 2.68,1.45, height 2.29
DO-214AC_GW [mm]
  rect 2x3 smd: 1(-3.75,0) 2(3.75,0)
  silkscreen extent -5.37,-1.4 1.92,1.4, body extent -4.23,-1.4 4.23,1.4, height 3.12
FIDUCIAL_TOP_C100-200 [mm] "Round Fiducial Target, Top Layer, 1.0mm, Top Solder 2.0mm, Keepout =2.0mm"
  round 1 smd paste-0.51 mask+0.5: FTG2(0,0)
  Top keep-out circle w0.1: c0,0 r1
FIDUCIAL_TOP_S100-200 [mm] "Square Fiducial Target, Top Layer, 1.0mm, Top Solder 2.0mm, Keepout =2.0mm"
  rect 1x1 smd rot 45 paste-0.51 mask+0.5: 1(0,0)
  Top keep-out region: 1.414,0 0,-1.414 -1.414,0 0,1.414
IND_BOURNS_PM43 [mm] "SMD Inductor  Body Width 4.5mm Body Lenght 4mm Height 3.5mm"
  rect 1.8x4.5 smd: 1(-1.65,0) 2(1.65,0)
  silkscreen extent -0.45,-2.15 0.45,2.15, body extent -2.38,-2.15 2.38,2.15, height 3.5
IND_WURTH_WE-SL2 [mm] "Common Mode SMD Line Filter WE-SL2"
  rect 2x1.2 smd: 1(-3.75,1.27) 2(-3.75,-1.27) 3(3.75,-1.27) 4(3.75,1.27)
  silkscreen extent -4.75,-3.15 4.75,3.15, body extent -4.75,-3.15 4.75,3.15, height 5.3
IND_WURTH_WE-TPC_1038 [mm] "Shielded Tiny Power Inductor, Body 10x10mm"
  rect 1.8x4.6 smd: 1(-4.5,0) 2(4.5,0)
  silkscreen extent -4.42,-5 4.42,5, body extent -5,-5 5,5, height 3.8
IND_WURTH_WE-TPC_4828 [mm] "Shielded Tiny Power Inductor, Body 4.8x4.8mm"
  rect 0.95x5.3 smd: 1(-2.275,0) 2(2.275,0)
  rect 1.05x1.014 smd: 1(-1.275,2.143) 1(-1.275,-2.143) 2(1.275,2.143) 2(1.275,-2.143)
  Top region: 2.75,-2.65 0.75,-2.65 0.75,-1.636 1.394,-1.138 1.753,-0.407 1.753,0.407 1.394,1.138 0.75,1.636 0.75,1.636 0.75,2.65 2.75,2.65
  Top region: -2.75,-2.65 -0.75,-2.65 -0.75,-1.636 -1.394,-1.138 -1.753,-0.407 -1.753,0.407 -1.394,1.138 -0.75,1.636 -0.75,1.636 -0.75,2.65 -2.75,2.65
  Top region: 0.75,-2.65 2.75,-2.65 2.75,2.65 0.75,2.65 0.75,1.636 1.394,1.138 1.753,0.407 1.753,-0.407 1.394,-1.138 0.75,-1.636 0.75,-1.636
  silkscreen extent -0.35,-2.4 0.35,2.4, body extent -2.4,-2.4 2.4,2.4, height 2.8
JUMPSMD0805_G50 [mm] "2 SMD Pads for Bound by Solder Drop - Equivalent Size 0805 - Gap 0.5mm"
  rect 0.475x0.45 smd paste-0.225: 1(-1.188,0) 2(1.188,0)
  rect 0.7x1.4 smd paste-0.35: 1(-0.6,0) 2(0.6,0)
  Top region: 0.25,-0.7 0.95,-0.7 1.425,-0.225 1.425,0.225 0.95,0.7 0.25,0.7
  Top region: -0.25,0.7 -0.95,0.7 -1.425,0.225 -1.425,-0.225 -0.95,-0.7 -0.25,-0.7
  Top keep-out region: -0.05,0.7 0.05,0.7 0.05,-0.7 -0.05,-0.7
LED_DIALIGHT_555-200 [mm] "Single 2mm Red LED, Body 5.08x2.54mm, Pin spacing 2.54mm"
  round 1.7 hole 1: 1(2.54,0) 2(0,0)
  silkscreen extent -2.16,-1.27 4.06,1.27, body extent -2.16,-1.27 4.06,1.27, height 6.35
LED_DIALIGHT_555-230 [mm] "Single 2mm Green LED, Body 5.08x2.54mm, Pin spacing 2.54mm"
  round 1.7 hole 1: 1(2.54,0) 2(0,0)
  silkscreen extent -2.16,-1.27 4.06,1.27, body extent -2.16,-1.27 4.06,1.27, height 6.35
LEDLP_BIVAR_PLP2-1200 [mm] "3mm Dome Leens, Single Station Vertivcal Round Lightpipe Height 1.2 in. (30.5mm)"
  silkscreen extent -1.65,-1.65 1.65,1.65, body extent -1.65,0 1.65,31.24, height 4.9
MTG270_500 [mm] "Plated Through Hole: Hole Dia.=2.7mm Pad Dia.=5.0mm"
  round 5 hole 2.7: 1(0,0)
OPI1264C [mil]
  round 60 hole 30: 1(393.7,-49.21) 2(393.7,49.21) 3(-393.7,49.21) 4(-393.7,-49.21)
  silkscreen extent -354,-128 354,128, body extent -403,-129 404,130, height 230
QFN50P600X600X80-41N-S425 [mm] "QFN, 0.50mm Pitch, Square; 40 Pin, 6.00mm L X 6.00mm W X 0.80mm H body (w/Thermal Tab 4.25 x 4.25mm), IPC Medium Density"
  oval 0.9x0.3 smd: 1(-2.95,2.25) 2(-2.95,1.75) 3(-2.95,1.25) 4(-2.95,0.75) 5(-2.95,0.25) 6(-2.95,-0.25) 7(-2.95,-0.75) 8(-2.95,-1.25) 9(-2.95,-1.75) 10(-2.95,-2.25) 21(2.95,-2.25) 22(2.95,-1.75) 23(2.95,-1.25) 24(2.95,-0.75) 25(2.95,-0.25) 26(2.95,0.25) 27(2.95,0.75) 28(2.95,1.25) 29(2.95,1.75) 30(2.95,2.25)
  oval 0.3x0.9 smd: 11(-2.25,-2.95) 12(-1.75,-2.95) 13(-1.25,-2.95) 14(-0.75,-2.95) 15(-0.25,-2.95) 16(0.25,-2.95) 17(0.75,-2.95) 18(1.25,-2.95) 19(1.75,-2.95) 20(2.25,-2.95) 31(2.25,2.95) 32(1.75,2.95) 33(1.25,2.95) 34(0.75,2.95) 35(0.25,2.95) 36(-0.25,2.95) 37(-0.75,2.95) 38(-1.25,2.95) 39(-1.75,2.95) 40(-2.25,2.95)
  rect 4.25x4.25 smd: 41(0,0)
  silkscreen extent -4.13,-3 3,3, body extent -3,-3 3,3, height 0.8
R400X300 [mm] "4mm x  3mm SMD Pad"
  rect 4x3 smd paste-1.5: 1(0,0)
R-PDSO-G16 [mm]
  rect 1x0.3 smd: 1(0,0)
  oval 1x0.3 smd: 2(0,-0.635) 3(0,-1.27) 4(0,-1.905) 5(0,-2.54) 6(0,-3.175) 7(0,-3.81) 8(0,-4.445) 9(6,-4.445) 10(6,-3.81) 11(6,-3.175) 12(6,-2.54) 13(6,-1.905) 14(6,-1.27) 15(6,-0.635) 16(6,0)
  silkscreen extent 1.33,-4.76 4.67,0.32, body extent -0.16,-4.73 6.1,0.25, height 1.75
RESC1005X40N [mm] "Chip Resistor, EIA 0402, Metric 1005, Body 1.0x0.5mm, IPC Medium Density"
  rect 0.58x0.62 smd: 1(-0.47,0) 2(0.47,0)
  body extent -0.52,-0.27 0.53,0.28, height 0.4
RESC1608X55N [mm] "Chip Resistor, EIA 0603, Metric 1608, Body 1.6x0.8mm, IPC Medium Density"
  rect 0.9x1 smd: 1(-0.8,0) 2(0.8,0)
  body extent -0.87,-0.47 0.88,0.48, height 0.55
RESC1608X60N [mm] "Chip Resistor, EIA 0603, Metric 1608, Body 1.6x0.8mm, IPC Medium Density"
  rect 0.85x1 smd: 1(-0.8,0) 2(0.8,0)
  body extent -0.87,-0.47 0.88,0.48, height 0.6
RESC3216X50N [mm] "Chip Resistor, EIA 1206, Metric 3216, Body 3.2x1.6mm, IPC Medium Density"
  rect 1.05x1.75 smd: 1(-1.5,0) 2(1.5,0)
  silkscreen extent -0.6,-0.8 0.6,0.8, body extent -1.67,-0.87 1.68,0.88, height 0.51
RESC5025X65N [mm] "Resistor, Chip; 5mm L X 2.5mm W X 0.65mm H, IPC Medium Density"
  rect 1.15x2.7 smd: 1(-2.35,0) 2(2.35,0)
  silkscreen extent -1.4,-1.25 1.4,1.25, body extent -2.55,-1.32 2.55,1.33, height 0.65
RESC6331X70N [mm] "Chip Resistor, EIA 2512, Metric 6331, 2-Leads, Body 6.3x3.1mm, IPC Medium Density"
  rect 1.05x3.3 smd: 1(-3.1,0) 2(3.1,0)
  silkscreen extent -2.2,-1.65 2.2,1.65, body extent -3.25,-1.65 3.25,1.65, height 0.7
RESC6532X80N [mm] "Resistor, Chip; 6.5mm L X 3.25mm W X 0.80mm H, IPC Medium Density"
  rect 1.3x3.5 smd: 1(-3.15,0) 2(3.15,0)
  silkscreen extent -2.15,-1.65 2.15,1.65, body extent -3.25,-1.62 3.25,1.63, height 0.8
SO-8 [mil]
  oval 80x24 smd: 1(0,0) 2(0,-50) 3(0,-100) 4(0,-150) 5(220,-150) 6(220,-100) 7(220,-50) 8(220,0)
  silkscreen extent 60,-175 160,25, body extent -14,-173 230,24, height 69